# Altium PCB 遙控繼電器_20241011.PcbDoc
Units mm, origin at the board's own origin, x right, y up, seen from the top; angles counter-clockwise.
Board outline 48 x 95 mm, 4 copper layers (Top Layer, Layer 1, Layer 2, Bottom Layer), stack 0.603 mm thick; 57 components, 39 nets, 259 pads, 32 vias.
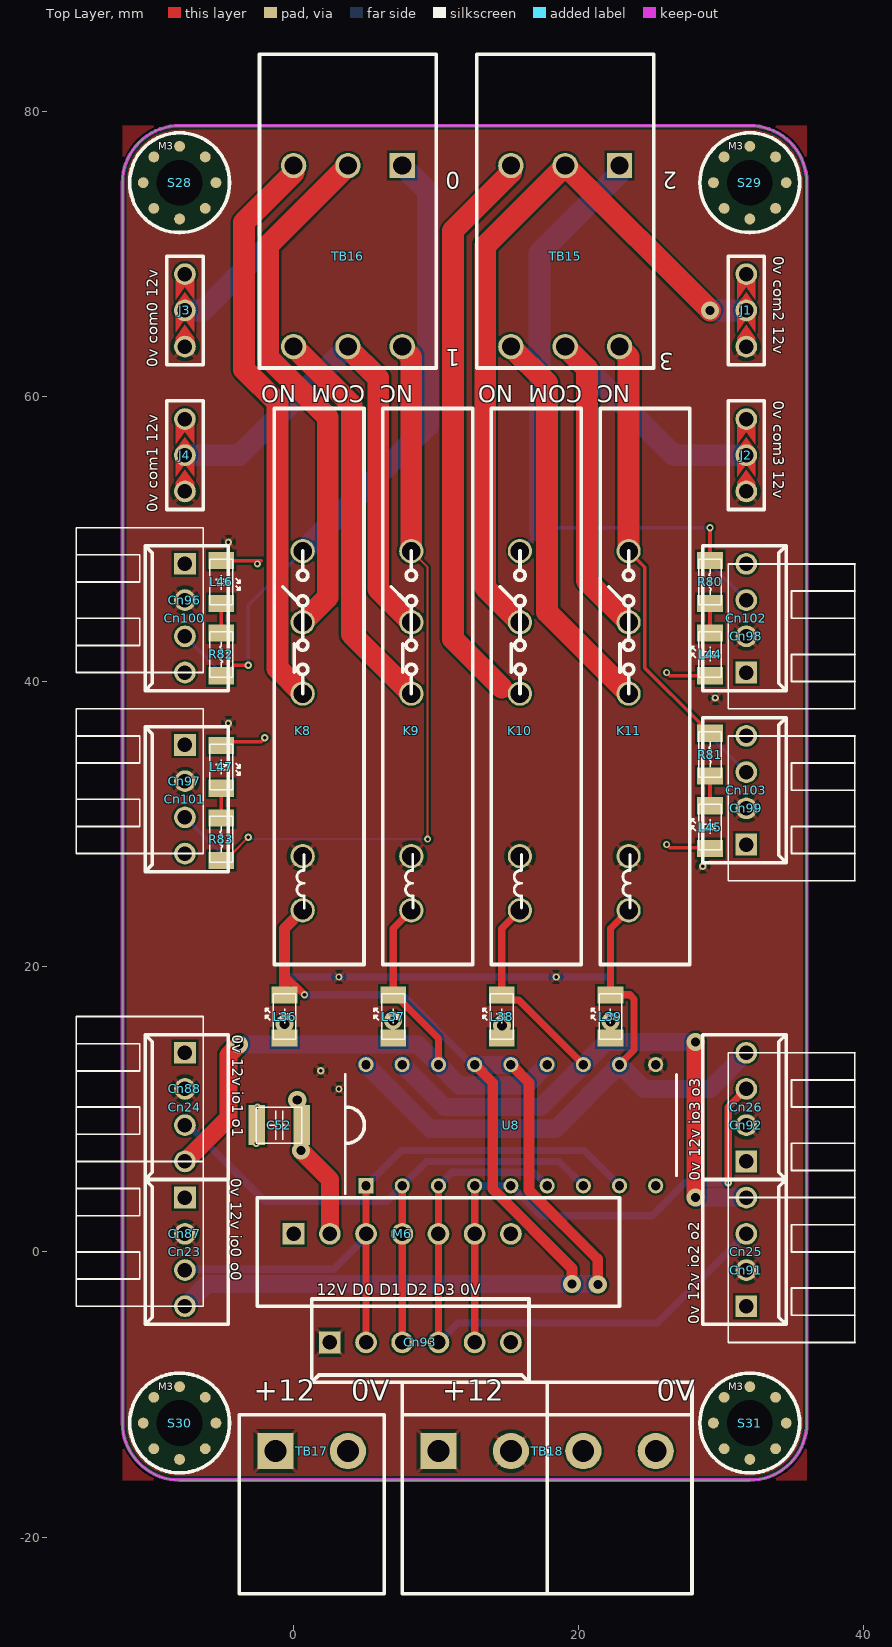
[diagram p0: Top Layer view]
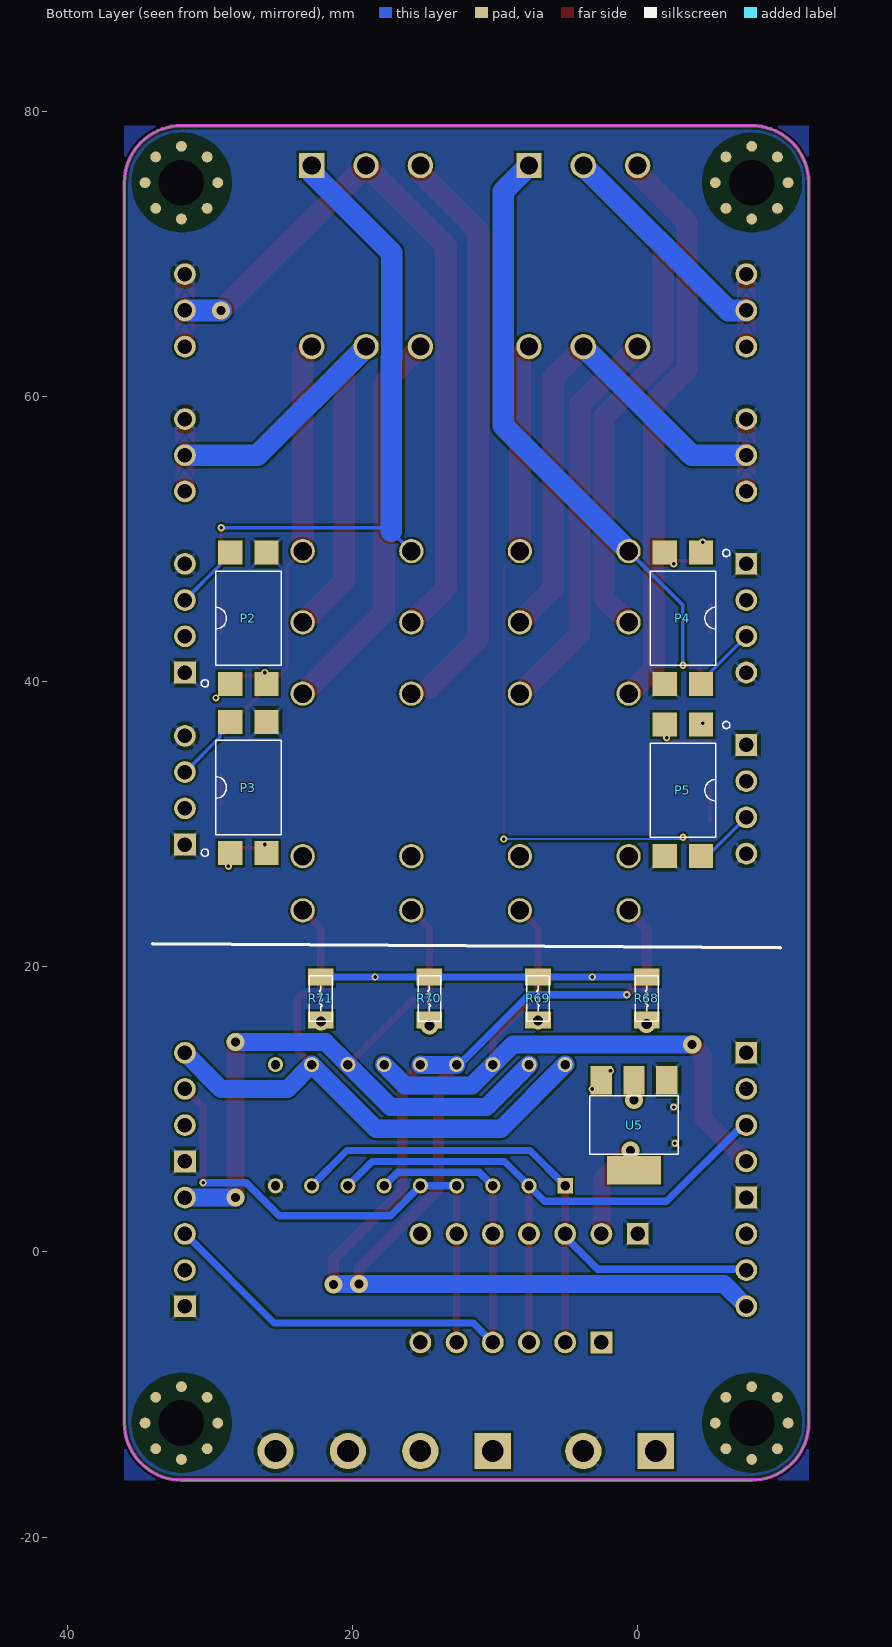
[diagram p1: Bottom Layer view, seen from below]

## Layer stack, top to bottom
Top Solder: solder mask 0.0102, Solder Resist, Dk 3.5
Top Layer: signal copper 0.0356
Dielectric 2: prepreg 0.0711, PP-006, Dk 4.1
Layer 1: signal copper 0.035
Dielectric 1: dielectric 0.32, FR-4, Dk 4.8
Layer 2: signal copper 0.035
Dielectric 3: prepreg 0.0711, PP-006, Dk 4.1
Bottom Layer: signal copper 0.0356
Bottom Solder: solder mask 0.0102, Solder Resist, Dk 3.5

## Board outline
-12,-12 -12,75 cw(c-8,75) -8,79 32,79 cw(c32,75) 36,75 36,-12 cw(c32,-12) 32,-16 -8,-16 cw(c-8,-12)

## Design rules (kind name [scope] priority, off if disabled: settings)
Clearance [All] p1: gap=0.152 ignorepadtopadclearanceinfootprint=FALSE
ComponentClearance [All] p1: gap=0 collisioncheckmode=3 verticalgap=0 showdistances=FALSE
DiffPairsRouting [All] p1: maxlimit=0.254 minlimit=0.254 mostfreqgap=0.254 toplayer_minwidth=0.152 toplayer_maxwidth=0.381 toplayer_prefwidth=0.381 midlayer1_minwidth=0.152 midlayer1_maxwidth=0.381 midlayer1_prefwidth=0.381 midlayer2_minwidth=0.152 midlayer2_maxwidth=0.381 midlayer2_prefwidth=0.381 bottomlayer_minwidth=0.152 bottomlayer_maxwidth=0.381 bottomlayer_prefwidth=0.381 maxuncoupledlength=12.7
Height [All] p1: minheight=0 maxheight=50.8 prefheight=12.7
PolygonConnect [All] p1: connectstyle=Relief reliefconductorwidth=0.254 reliefentries=4 polygonreliefangle="45 Angle" airgapwidth=0.254
RoutingVias [All] p1: holewidth=0.711 width=1.27 viastyle="Through Hole" minholewidth=0.254 minwidth=0.508 maxholewidth=1.27 maxwidth=2.54
SolderMaskExpansion [All] p1: expansion=0.102 istentingtop=FALSE
Width [All] p1: maxlimit=2.54 minlimit=0.152 preferedwidth=0.254 minimp=50.000000 maximp=50.000000 favimp=50.000000
27 further rules are at their usual default settings.

## Components (designator, comment, footprint, x,y, rotation, side; value= is the part's Value field where it differs from the comment)
C52 "1uF" CAP-1210 -1.016,8.89 r180 top
Cn23 "KF2510-4" Connector_KF2510-4A -7.62,3.81 r0 top
Cn24 "KF2510-4" Connector_KF2510-4A -7.62,13.97 r0 top
Cn25 "KF2510-4" Connector_KF2510-4A 31.75,-3.81 r180 top
Cn26 "KF2510-4" Connector_KF2510-4A 31.75,6.35 r180 top
Cn87 "KF2510-3" "Connector_XH 2.54-3W" -7.62,3.81 r0 top
Cn88 "KF2510-3" "Connector_XH 2.54-3W" -7.62,13.97 r0 top
Cn91 "KF2510-3" "Connector_XH 2.54-3W" 31.75,-3.81 r180 top
Cn92 "KF2510-3" "Connector_XH 2.54-3W" 31.75,6.35 r180 top
Cn93 "KF2510-6" Connector_KF2510-6A 2.54,-6.35 r90 top
Cn96 "KF2510-3" "Connector_XH 2.54-3W" -7.62,48.26 r0 top
Cn97 "KF2510-3" "Connector_XH 2.54-3W" -7.62,35.56 r0 top
Cn98 "KF2510-3" "Connector_XH 2.54-3W" 31.75,40.64 r180 top
Cn99 "KF2510-3" "Connector_XH 2.54-3W" 31.75,28.575 r180 top
Cn100 "KF2510-4" Connector_KF2510-4A -7.62,48.26 r0 top
Cn101 "KF2510-4" Connector_KF2510-4A -7.62,35.56 r0 top
Cn102 "KF2510-4" Connector_KF2510-4A 31.75,40.64 r180 top
Cn103 "KF2510-4" Connector_KF2510-4A 31.75,28.575 r180 top
J1 "Jumper(3P)" Bypass_Jumper(3P) 31.75,66.04 r90 top
J2 "Jumper(3P)" Bypass_Jumper(3P) 31.75,55.88 r90 top
J3 "Jumper(3P)" Bypass_Jumper(3P) -7.62,66.04 r90 top
J4 "Jumper(3P)" Bypass_Jumper(3P) -7.62,55.88 r90 top
K8 "G2R-1-24VDC" RELAY-HF41F-012-ZST 0.635,44.16 r90 top
K9 "G2R-1-24VDC" RELAY-HF41F-012-ZST 8.255,44.16 r90 top
K10 "G2R-1-24VDC" RELAY-HF41F-012-ZST 15.875,44.16 r90 top
K11 "G2R-1-24VDC" RELAY-HF41F-012-ZST 23.495,44.16 r90 top
L36 "藍" LED-1206 -0.635,16.51 r270 top
L37 "藍" LED-1206 6.985,16.51 r270 top
L38 "藍" LED-1206 14.605,16.51 r270 top
L39 "藍" LED-1206 22.225,16.51 r270 top
L44 "紅" LED-1206 29.21,41.91 r270 top
L45 "紅" LED-1206 29.21,29.798 r270 top
L46 "紅" LED-1206 -5.08,46.99 r90 top
L47 "紅" LED-1206 -5.08,34.023 r90 top
M6 "XR390" "XR390 Module" 0,1.27 r180 top
P2 "PC817" PC817 27.305,44.45 r90 bottom
P3 "PC817" PC817 27.305,32.573 r90 bottom
P4 "PC817" PC817 -3.175,44.45 r270 bottom
P5 "PC817" PC817 -3.175,32.385 r270 bottom
R68 "1K" Res-1206 -0.635,17.78 r90 bottom
R69 "1K" Res-1206 6.985,17.78 r90 bottom
R70 "1K" Res-1206 14.605,17.78 r90 bottom
R71 "1K" Res-1206 22.225,17.78 r90 bottom
R80 "1K" Res-1206 29.21,46.99 r270 top
R81 "1K" Res-1206 29.21,34.878 r270 top
R82 "1K" Res-1206 -5.08,41.91 r90 top
R83 "1K" Res-1206 -5.08,28.943 r90 top
S28 "M3" "Screw M3" -8,75 r0 top
S29 "M3" "Screw M3" 32,75 r0 top
S30 "M3" "Screw M3" -8,-12 r0 top
S31 "M3" "Screw M3" 32,-12 r0 top
TB15 "KF2EDGRT-5.08_6P" "Terminal block(KF2EDGRT-3.81_2*3P)" 19.05,76.2 r180 top
TB16 "KF2EDGRT-5.08_6P" "Terminal block(KF2EDGRT-3.81_2*3P)" 3.81,76.2 r180 top
TB17 "ZB25(2P)" "Terminal block(KF2EDGR-5.08 _2P)" -1.27,-13.97 r0 top
TB18 "KF2EDGRT-5.08_4P" "Terminal block(KF2EDGR-5.08 _4P)" 10.16,-13.97 r0 top
U5 "AMS1117-3.3V" "SOT 223" 0.254,9.144 r0 bottom
U8 "ULN2803A" DIP-18 15.24,8.89 r90 top

## Footprints (in the part's own frame and the unit in brackets; to place one, negate y for a bottom-side part, rotate by r counter-clockwise, add the part's x,y. Pads: shape width x height; smd on the part's side, far side on the other; paste and mask are expansions set on the pad)
Bypass_Jumper(3P) [mil] "跳針(3P)"
  round 60 hole 40: 1(0,0) 2(100,0) 3(-100,0)
  Top Layer region: -95,-25 -95,25 -75,25 -40,0 -75,-25
  Top Layer region: -60,-25 -25,0 -60,25 -5,25 -5,-25
  Top Layer region: -5,-25 -5,25 15,25 50,0 15,-25
  Top Layer region: 30,-25 65,0 30,25 85,25 85,-25
  silkscreen extent -150,-50 150,50, body extent -150,-50 150,50, height 354
CAP-1210 [mm] "電容 SMD"
  rect 1.15x2.8 smd: 1(-1.575,0) 2(1.575,0)
  silkscreen extent -1.6,-1.25 1.6,1.25, body extent -1.6,-1.23 1.6,1.27, height 0.95
Connector_KF2510-4A [mil] "防呆接頭(4P)"
  rect 60x60 hole 40: 1(0,0)
  round 60 hole 40: 2(0,-100) 3(0,-200) 4(0,-300)
  silkscreen extent -110,-350 120,50, body extent -114,-348 114,50, height 461
Connector_KF2510-6A [mil] "防呆接頭(6P)"
  rect 60x60 hole 40: 1(0,0)
  round 60 hole 40: 2(0,-100) 3(0,-200) 4(0,-300) 5(0,-400) 6(0,-500)
  silkscreen extent -110,-550 120,50, body extent -110,-549 118,49, height 124
"Connector_XH 2.54-3W" [mil] "防呆接頭90°(3P)"
  rect 60x60 hole 40: 1(0,0)
  round 60 hole 40: 2(0,-100) 3(0,-200)
  silkscreen extent -300,-300 50,100, body extent -297,-592 20,92, height 238
DIP-18 [mm] "DIP850W46P254L2324H393Q18N"
  rect 1.06x1.06 hole 0.66: 1(-4.25,10.16)
  round 1.06 hole 0.66: 2(-4.25,7.62) 3(-4.25,5.08) 4(-4.25,2.54) 5(-4.25,0) 6(-4.25,-2.54) 7(-4.25,-5.08) 8(-4.25,-7.62) 9(-4.25,-10.16) 10(4.25,-10.16) 11(4.25,-7.62) 12(4.25,-5.08) 13(4.25,-2.54) 14(4.25,0) 15(4.25,2.54) 16(4.25,5.08) 17(4.25,7.62) 18(4.25,10.16)
  silkscreen extent -4.78,-11.62 3.55,11.62, body extent -4.37,-11.62 4.37,11.62, height 3.93
LED-1206 [mm] "發光二極體 SMD-1206"
  rect 1.2x1.8 smd: 1(-1.5,0) 2(1.5,0)
  silkscreen extent -1.6,-1.35 1.6,0.8, body extent -1.6,-0.8 1.6,0.8, height 1.1
PC817 [mm] "光耦IC"
  rect 1.68x1.71 smd: 1(-4.6,1.27) 2(-4.6,-1.27) 3(4.6,-1.27) 4(4.6,1.27)
  silkscreen extent -4.83,-2.3 3.3,3.3, body extent -5.08,-2.29 5.08,2.29, height 4.73
RELAY-HF41F-012-ZST [mm] "HF41F-012-ZST+41F-1Z-A"
  round 1.7 hole 1.3: 1(0,0) 2(5,0) 3(-5,0) 4(-16.4,0) 5(-20.2,0)
  silkscreen extent -24,-4.3 15,2
Res-1206 [mm] "1/4W電阻 SMD"
  rect 1.2x1.8 smd: 1(-1.5,0) 2(1.5,0)
  silkscreen extent -1.6,-0.8 1.6,0.8, body extent -1.6,-0.8 1.6,0.8, height 0.75
"Screw M3" [mil] "螺絲 M3"
  round 30 smd: 1(-100.39,0) 1(-70.99,-70.99) 1(-70.99,70.99) 1(0,-100.39) 1(0,100.39) 1(70.99,-70.99) 1(70.99,70.99) 1(100.39,0)
  round 30 smd far side: 1(-100.39,0) 1(-70.99,-70.99) 1(-70.99,70.99) 1(0,-100.39) 1(0,100.39) 1(70.99,-70.99) 1(70.99,70.99) 1(100.39,0)
  round 118.11 hole 125.98: 1(0,0)
  Multi-Layer pour cut-out: -1.1,-137.13 -53.83,-126.64 -98.54,-96.77 -128.41,-52.07 -138.9,0.67 -138.9,0.67 -128.41,53.4 -98.54,98.1 -53.83,127.97 -1.1,138.46 -1.1,138.46 51.63,127.97 96.33,98.1 126.2,53.4 136.69,0.67 136.69,0.67 126.2,-52.07 96.33,-96.77 51.63,-126.64 -1.1,-137.13
  silkscreen extent -138,-138 138,138, body extent -108,-108 108,108, height 118
"SOT 223" [mm]
  rect 1.5x2 smd: 1(-2.3,-2.9) 2(0,-2.9) 3(2.3,-2.9)
  rect 3.8x2 smd: 2(0,3.4)
  silkscreen extent -3.1,-1.8 3.1,2.3, body extent -3.25,-3.23 3.25,3.73, height 1.7
"Terminal block(KF2EDGR-5.08 _2P)" [mil] "端子台(KF2EDGR-5.08 _2P))"
  rect 100x100 hole 60: 1(0,0)
  round 100 hole 60: 2(200,0)
  silkscreen extent -100,-394 300,100, body extent -100,-839 300,39, height 622
"Terminal block(KF2EDGR-5.08 _4P)" [mil] "端子台(KF2EDGR-5.08 _4P)"
  rect 100x100 hole 60: 1(0,0)
  round 100 hole 60: 2(200,0) 3(400,0) 4(600,0)
  silkscreen extent -100,-394 700,100, body extent -100,-839 700,39, height 622
"Terminal block(KF2EDGRT-3.81_2*3P)" [mil] "端子台(KF2EDGRT-3.81_6P)"
  rect 70x70 hole 50: 1(-150,0)
  round 70 hole 50: 2(0,0) 3(150,0) 4(-150,500) 5(0,500) 6(150,500)
  silkscreen extent -244,-307 244,559, body extent -225,-636 225,546, height 1125
"XR390 Module" [mil] "遙控器模組"
  rect 60x60 hole 40: 1(0,0)
  round 60 hole 40: 2(-100,0) 3(-200,0) 4(-300,0) 5(-400,0) 6(-500,0) 7(-600,0)
  silkscreen extent -900,-100 100,200

## Part data
C52: library part Cap, "電容", ComponentLink1Description=datasheet, ComponentLink1URL=https://product.tdk.com/system/files/dam/doc/product/capacitor/ceramic/mlcc/catalog/mlcc_commercial_general_en.pdf
Cn23 Cn24 Cn25 Cn26: library part Contact(4P), "接線端子"
Cn87 Cn88 Cn91 Cn92 Cn96 Cn97 Cn98 Cn99: library part Conntact(3P), "連接器"
Cn93: library part Conntact(6P), "連接器"
Cn100 Cn101 Cn102 Cn103: library part Conntact(4P), "連接器"
J1 J2 J3 J4: library part Bypass_Jumper(3P), "跳線帽"
K8 K9 K10 K11: library part Relay, "繼電器"
L36 L37 L38 L39 L44 L45 L46 L47: library part LED, "LED"
M6: "遙控器模組"
P2 P3 P4 P5: "光耦"
R68 R69 R70 R71 R80 R81 R82 R83: library part Res, "電阻"
S28 S29 S30 S31: library part Screw, "螺絲(非焊接元件)"
TB15 TB16: library part "Terminal block(6P)", "端子台"
TB17: library part "Terminal block(2P)", "端子台"
TB18: library part "Terminal block(4P)", "端子台"
U5: library part AMS1117, "降壓IC,LOD"
U8: library part TBD62083A, "閘極驅動器 P型 50V 0.5A", Manufacturer_Name=Toshiba, Manufacturer_Part_Number=TBD62083AFNG,EL, Mouser Part Number=757-TBD60183AFNGEL, ComponentLink1Description=datasheet, ComponentLink1URL=https://www.mouser.tw/datasheet/2/408/TBD62083AFNG_datasheet_en_20160511-769697.pdf, Datasheet Link=chrome-extension://efaidnbmnnnibpcajpcglclefindmkaj/https://www.mouser.tw/datasheet/2/408/TBD62083AFWG_datasheet_en_20160511-769679.pdf, Geometry.Height=1.55mm, Mouser Price/Stock=https://www.mouser.co.uk/ProductDetail/Toshiba/TBD62183AFNGEL?qs=lYGu3FyN48dJ%2FQ%2FqZoTqjQ%3D%3D

## Via types
v1: diameter 0.508, hole 0.254, Top Layer to Bottom Layer, tented both sides, 20 vias
v2: diameter 1.27, hole 0.635, Top Layer to Bottom Layer, tented both sides, 8 vias
v3: diameter 1.27, hole 0.711, Top Layer to Bottom Layer, tented both sides, 4 vias

## Nets (pads, with @x,y where several pads share a name; then routed paths per layer and width w, separated by ;. In a path a pad name is that pad's centre, name@x,y a point inside that pad or via, vN(x,y) a via of type N, cw(c..) or ccw(c..) an arc to the next point about the centre after c; other vN are vias at no path point)
+5: C52.1 M6.2 U5.2 | length 6.7
  Top Layer w1.27: v2(0.508,7.112) 2.54,5.08 M6.2
  other v2: 0.254,10.668
+12: Cn23.2 Cn24.2 Cn25.2 Cn26.2 Cn87.2 Cn88.2 Cn91.2 Cn92.2 Cn93.1 Cn96.2 Cn97.2 Cn98.2 Cn99.2 Cn100.2 Cn101.2 Cn102.2 Cn103.2 J1.3 J2.3 J3.3 J4.3 K8.4 K9.4 K10.4 K11.4 P2.1 P3.1 P4.1 P5.1 R68.2 R69.2 R70.2 R71.2 TB17.1 TB18.1 TB18.2 U5.3 U8.10 | length 22.9
  Bottom Layer w0.508: R68.2 R69.2 R70.2 R71.2
  other v1: 3.175,11.43 1.905,12.7 3.175,19.28 18.415,19.28 28.702,27.051 -4.572,37.084 29.583,38.858 -4.572,49.784
COM0: J3.1 K8.1 TB16.2 | length 52.5
  Top Layer w1.524: K8.1 2.399,45.925 2.399,58.55 -1.803,62.753 -1.803,70.587 TB16.2
  Bottom Layer w1.524: J3.1 -6.35,66.04 TB16.2
COM1: J4.1 K9.1 TB16.5 | length 35.8
  Top Layer w1.524: TB16.5 3.81,63.431 5.944,61.298 5.944,46.472 K9.1
  Bottom Layer w1.524: J4.1 -3.81,55.88 TB16.5
COM2: J1.1 K10.1 TB15.2 | length 52.3
  Top Layer w1.524: K10.1 13.437,46.599 13.437,70.587 TB15.2 v2(29.21,66.04)
  Bottom Layer w1.524: v2(29.21,66.04) J1.1
COM3: J2.1 K11.1 TB15.5 | length 37
  Top Layer w1.524: TB15.5 20.574,61.976 20.574,47.081 K11.1
  Bottom Layer w1.524: TB15.5 26.67,55.88 J2.1
D0: Cn23.3 Cn87.3 Cn93.2 M6.3 U8.1 U8.8 | length 44.7
  Top Layer w0.508: Cn93.2 M6.3 U8.1
  Bottom Layer w0.508: Cn87.3 -7.569,-1.219 2.794,-1.219 5.08,1.067 M6.3 ; U8.1 7.552,7.112 20.388,7.112 U8.8
D1: Cn24.3 Cn88.3 Cn93.3 M6.4 U8.2 U8.7 | length 43
  Top Layer w0.508: Cn93.3 M6.4 U8.2
  Bottom Layer w0.508: Cn88.3 -7.366,8.89 -2.032,3.556 6.536,3.556 U8.2 9.33,6.35 18.61,6.35 U8.7
D2: Cn25.3 Cn91.3 Cn93.4 M6.5 U8.3 U8.6 | length 44.1
  Top Layer w0.508: Cn93.4 M6.5 U8.3
  Bottom Layer w0.508: Cn93.4 11.532,-4.978 25.502,-4.978 Cn91.3 ; U8.3 11.108,5.588 16.832,5.588 U8.6
D3: Cn26.3 Cn92.3 Cn93.5 M6.6 U8.4 U8.5 | length 37.7
  Top Layer w0.508: Cn93.5 M6.6 U8.4 ; v1(30.48,4.851) 30.48,10.16 Cn92.3
  Bottom Layer w0.508: U8.4 U8.5 17.34,2.54 25.146,2.54 27.457,4.851 v1(30.48,4.851)
GND: C52.2 Cn23.1 Cn24.1 Cn25.1 Cn26.1 Cn87.1 Cn88.1 Cn91.1 Cn92.1 Cn93.6 Cn96.1 Cn97.1 Cn98.1 Cn99.1 Cn100.1 Cn100.4 Cn101.1 Cn101.4 Cn102.1 Cn102.4 Cn103.1 Cn103.4 J1.2 J2.2 J3.2 J4.2 M6.1 P2.3 P3.3 P4.3 P5.3 TB17.2 TB18.3 TB18.4 U5.1 U8.9
  other v1: -2.616,7.62 -2.54,10.16
IN_0: Cn96.3 Cn100.3 P4.4 | length 4.7
  Bottom Layer w0.254: Cn100.3 -5.173,40.733 -5.173,40.563 -4.46,39.85 P4.4
IN_1: Cn97.3 Cn101.3 P5.4 | length 4.7
  Bottom Layer w0.254: Cn101.3 -5.173,28.033 -5.173,27.863 -4.46,27.15 P5.4@-4.445,27.15
IN_2: Cn98.3 Cn102.3 P2.4 | length 4.7
  Bottom Layer w0.254: P2.4 28.59,49.05 29.303,48.337 29.303,48.167 Cn102.3
IN_3: Cn99.3 Cn103.3 P3.4 | length 4.7
  Bottom Layer w0.254: P3.4@28.575,36.985 28.59,36.985 29.303,36.272 29.303,36.102 Cn103.3
NC0: K8.3 TB16.3 | length 39.7
  Top Layer w1.524: TB16.3@0,75.685 -3.48,72.205 -3.48,61.9 -1.129,59.549 -1.129,40.925 K8.3
NC1: K9.3 TB16.6 | length 27.8
  Top Layer w1.524: TB16.6 4.076,59.424 4.076,43.34 K9.3
NC2: K10.3 TB15.3 | length 39.2
  Top Layer w1.524: 14.605,39.57 11.176,42.999 11.176,71.621 TB15.3@15.24,75.685
NC3: K11.3 TB15.6 | length 27.8
  Top Layer w1.524: TB15.6 17.78,60.96 17.78,44.875 K11.3
NetL36_2: L36.2 R68.1
  other v3: -0.635,15.985
NetL37_2: L37.2 R69.1
  other v3: 6.985,16.245
NetL38_2: L38.2 R70.1
  other v3: 14.605,15.875
NetL39_2: L39.2 R71.1
  other v3: 22.216,16.154
NetL44_1: L44.1 R80.2 | length 2.1
  Top Layer w0.254: L44.1 R80.2
NetL44_2: L44.2 P2.2 | length 3.1
  Top Layer w0.254: v1(26.162,40.64) 26.392,40.41 L44.2
NetL45_1: L45.1 R81.2 | length 2.1
  Top Layer w0.254: L45.1@29.21,31.345 R81.2@29.21,33.425
NetL45_2: L45.2 P3.2 | length 3.1
  Top Layer w0.254: v1(26.162,28.575) 26.392,28.345 L45.2@29.21,28.345
NetL46_1: L46.1 R82.2 | length 2.1
  Top Layer w0.254: R82.2 L46.1
NetL46_2: L46.2 P4.2 | length 2.8
  Top Layer w0.254: L46.2 -2.262,48.49
  other v1: -2.54,48.26
NetL47_1: L47.1 R83.2 | length 4.2
  Top Layer w0.254: R83.2@-5.08,30.264 L47.1@-5.08,32.344 ; R83.2@-5.08,30.71 L47.1@-5.08,32.79
NetL47_2: L47.2 P5.2 | length 3.2
  Top Layer w0.254: L47.2@-5.08,35.79 -2.262,35.79 -2.032,36.02 v1(-2.032,36.068)
NO0: K8.2 R82.1 TB16.1 | length 43.3
  Top Layer w0.254: R82.1 -4.78,40.41 -4.307,40.883 -4.307,41.001 -4.158,41.15 v1(-3.175,41.15)
  Bottom Layer w0.254: v1(-3.175,41.15) -3.175,45.35 K8.2
  Bottom Layer w1.524: K8.2 9.423,57.949 9.423,74.397 TB16.1
NO1: K9.2 R83.1 TB16.4 | length 50.5
  Top Layer w0.152: R83.1 -4.78,27.443 -4.256,27.967 -4.256,28.003 v1(-3.175,29.085) ; K9.2 9.398,48.017 v1(9.398,28.956)
  Top Layer w1.524: TB16.4 7.62,63.431 8.255,62.796 K9.2
  Bottom Layer w0.152: v1(-3.175,29.085) -3.047,28.956 v1(9.398,28.956)
NO2: K10.2 R80.1 TB15.1 | length 43.8
  Top Layer w0.254: R80.1 v1(29.21,50.8)
  Bottom Layer w0.254: K10.2 17.272,50.557 17.515,50.8 v1(29.21,50.8)
  Bottom Layer w1.524: 17.272,50.557 17.272,62.728 17.247,62.753 17.247,70.072 TB15.1@22.86,75.685
NO3: K11.2 R81.1 TB15.4 | length 29.9
  Top Layer w0.254: K11.2 24.624,48.031 24.624,40.964 28.445,37.144 28.445,36.851 28.918,36.378 R81.1
  Top Layer w1.524: TB15.4 22.86,63.431 23.495,62.796 K11.2
O0: Cn23.4 K8.5 L36.1 U8.14 U8.15 | length 90.8
  Top Layer w0.508: -0.635,19.431 v1(0.762,18.034)
  Top Layer w0.762: L36.1 -0.635,19.431 -0.635,22.69 K8.5 ; U8.15 13.97,11.87 13.97,4.406 19.533,-1.156 v2(19.533,-2.261) ; U8.14 16.51,11.87 16.51,4.318 21.336,-0.508 v2(21.336,-2.286)
  Bottom Layer w0.508: v1(0.762,18.034) 7.62,18.034 12.238,13.416 12.275,13.416 12.551,13.14 U8.15
  Bottom Layer w1.27: Cn23.4 -6.071,-2.261 v2(19.533,-2.261) v2@21.336,-2.261 ; U8.15 12.726,13.114 15.214,13.114 U8.14
O1: Cn24.4 K9.5 L37.1 U8.13 U8.16 | length 45.9
  Top Layer w0.508: L37.1 6.985,22.69 K9.5 ; L37.1@7.042,18.096 10.16,14.978 U8.16
  Top Layer w1.27: Cn24.4 -4.572,9.398 -4.572,13.818 v2(-3.828,14.562)
  Bottom Layer w1.27: v2(-3.828,14.562) 8.738,14.562 U8.16 11.616,11.684 16.324,11.684 U8.13
O2: Cn25.4 K10.5 L38.1 U8.12 U8.17 | length 52.4
  Top Layer w0.508: K10.5 14.605,22.69 L38.1 14.951,17.664 15.796,17.664 U8.12
  Top Layer w1.27: v2(28.194,3.81) v2(28.194,14.732)
  Bottom Layer w1.27: U8.17 10.6,10.16 17.34,10.16 U8.12 21.912,14.732 v2(28.194,14.732) ; v2(28.194,3.81) Cn25.4
O3: Cn26.4 K11.5 L39.1 U8.11 U8.18 | length 45.4
  Top Layer w0.508: U8.11 23.876,14.156 23.876,17.736 23.578,18.034 22.249,18.034 L39.1 22.225,22.69 K11.5
  Bottom Layer w1.27: U8.18 9.584,8.636 18.356,8.636 U8.11 24.57,11.43 29.21,11.43 Cn26.4
pads on no net: M6.7 S28.1 S29.1 S30.1 S31.1

## Polygon pours and split planes (outlines as drawn)
+12 on Top Layer "+12_L01_P001" (solid, pour order 1): -12,-16 36,-16 36,79 -12,79
GND on Bottom Layer "GND_L04_P000" (solid, pour order 0): -12,-16 36,-16 36,79 -12,79

## Keep-outs
Keep-Out Layer:
  the board outline again, w0.254

## Silkscreen, mask and mechanical layers (free items; w line width, h text height)
Top Overlay:
  lines w0.254: 7.62,-11.43 7.62,-9.144 17.78,-9.144 ; 17.78,-11.43 17.78,-9.144 ; 27.94,-11.43 27.94,-9.144 17.78,-9.144
  text "0" at 11.684,76.193 h2.03 r180
  text "2" at 26.924,76.193 h2.03 r180
  text "0v com2 12v" at 33.655,69.85 h0.76 r270
  text "1" at 11.684,63.747 h2.03 r180
  text "3" at 26.67,63.493 h2.03 r180
  text "0v com0 12v" at -9.525,62.05 h0.76 r90
  text "NC  COM  NO" at 8.382,61.207 h2.03 r180
  text "NC  COM  NO" at 23.622,61.207 h2.03 r180
  text "0v com3 12v" at 33.655,59.69 h0.76 r270
  text "0v com1 12v" at -9.525,51.89 h0.76 r90
  text "0v 12v io1 o1" at -4.318,15.24 h0.76 r270
  text "0v 12v io0 o0" at -4.408,5.17 h0.76 r270
  text "0v 12v io3 o3" at 28.538,4.99 h0.76 r90
  text "12V D0 D1 D2 D3 0V" at 1.629,-3.048 h0.79
  text "0v 12v io2 o2" at 28.448,-5.08 h0.76 r90
  text "+12    0V" at -2.794,-10.922 h2.54
  text "+12                 0V" at 10.414,-10.922 h2.54
Bottom Overlay:
  lines w0.254: -10.002,21.322 34.003,21.603